# Altium PCB PCB1.PcbDoc (part 1 of 3)
Units mm, origin at the board's own origin, x right, y up, seen from the top; angles counter-clockwise.
Board outline 120 x 57 mm, 4 copper layers (Layer 1, Layer 2, Layer 3, Layer 4), stack 1.283 mm thick; 163 components, 105 nets, 545 pads, 1469 vias.
Unrouted connection lines stored in the file: 2.
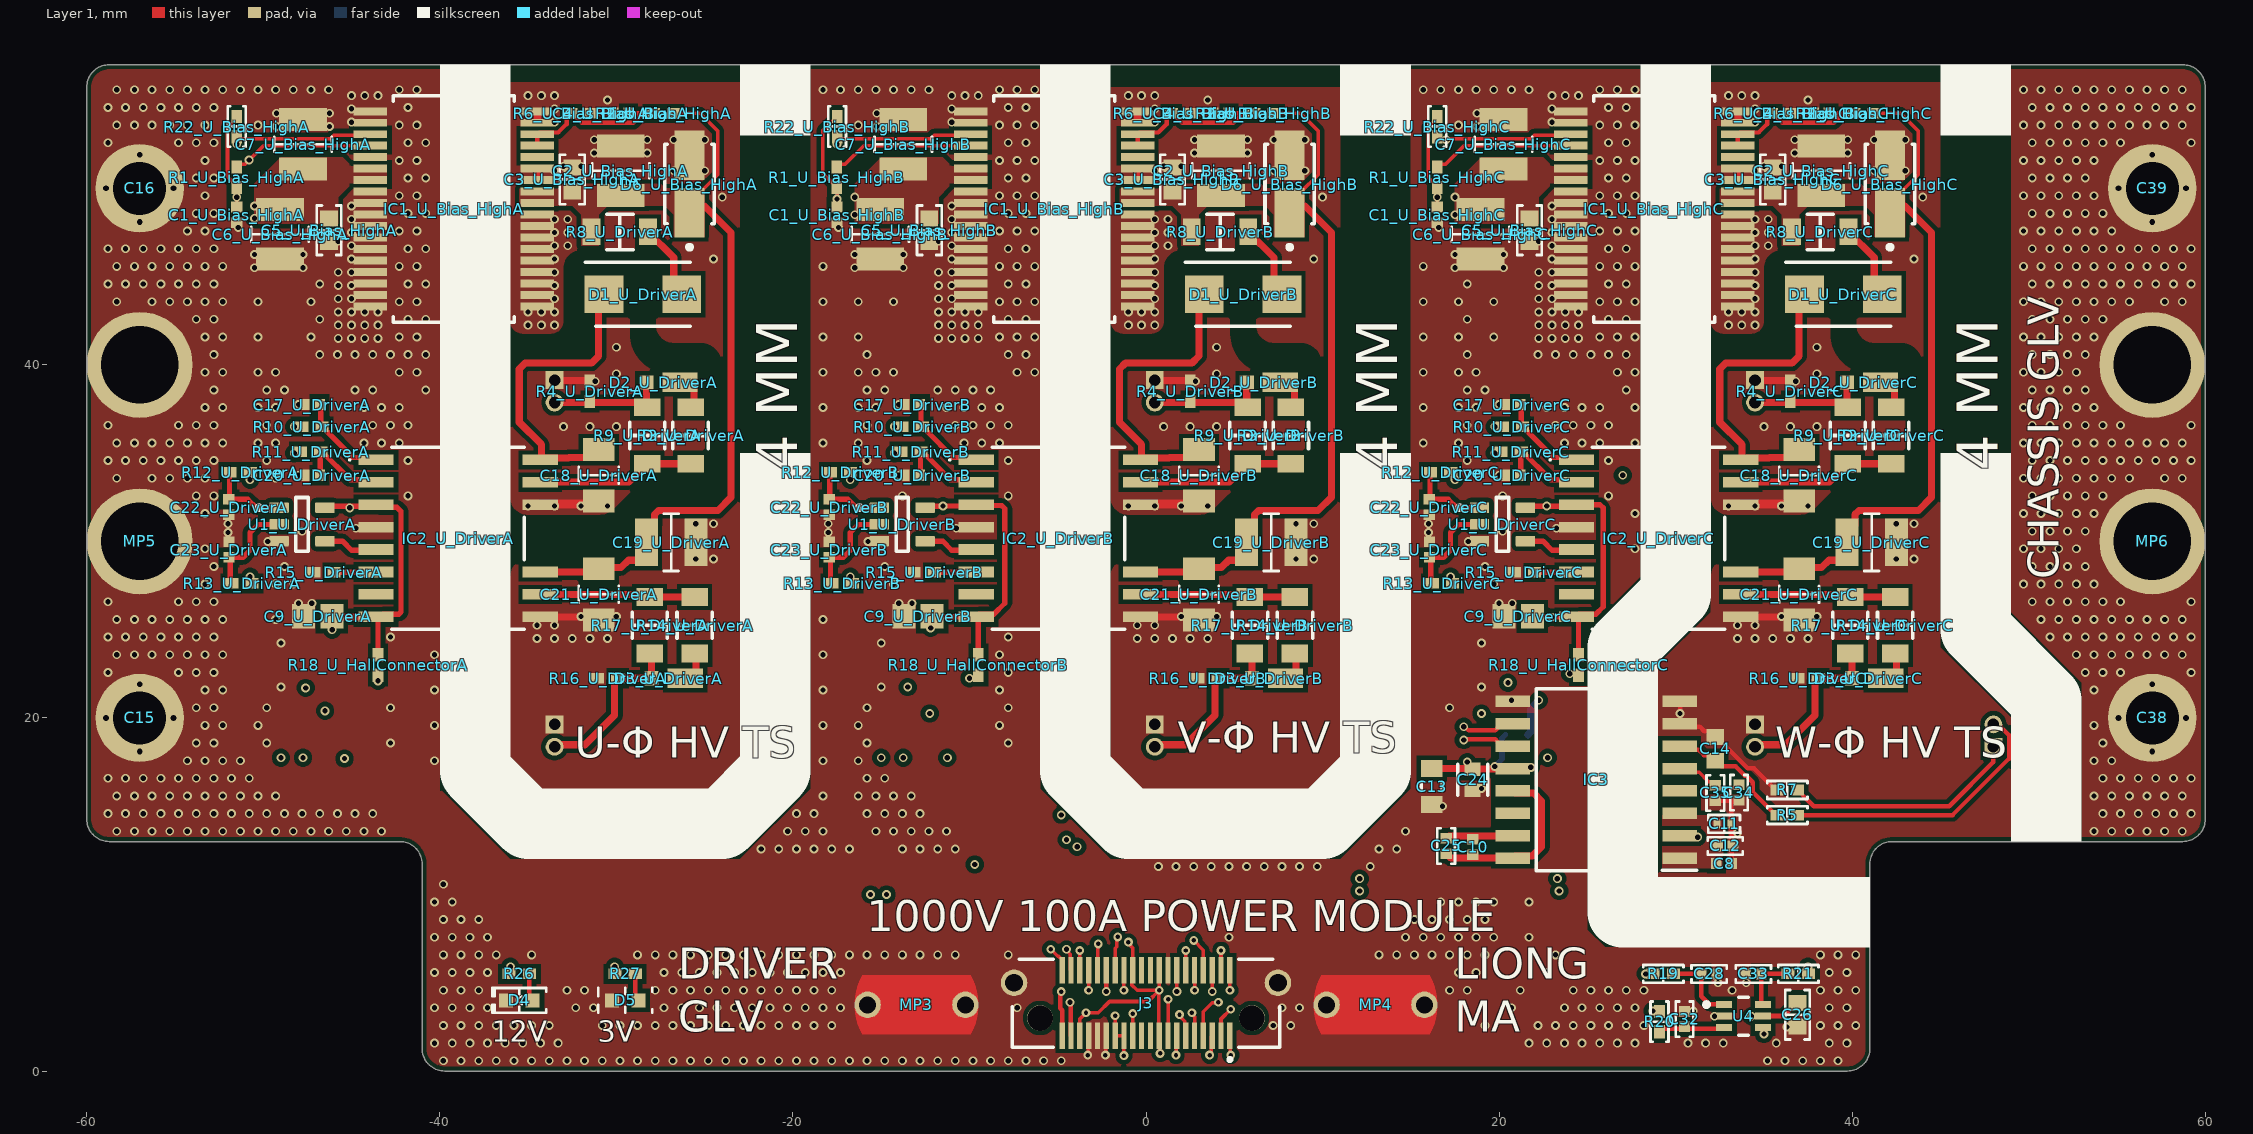
[diagram p0: Layer 1 view]
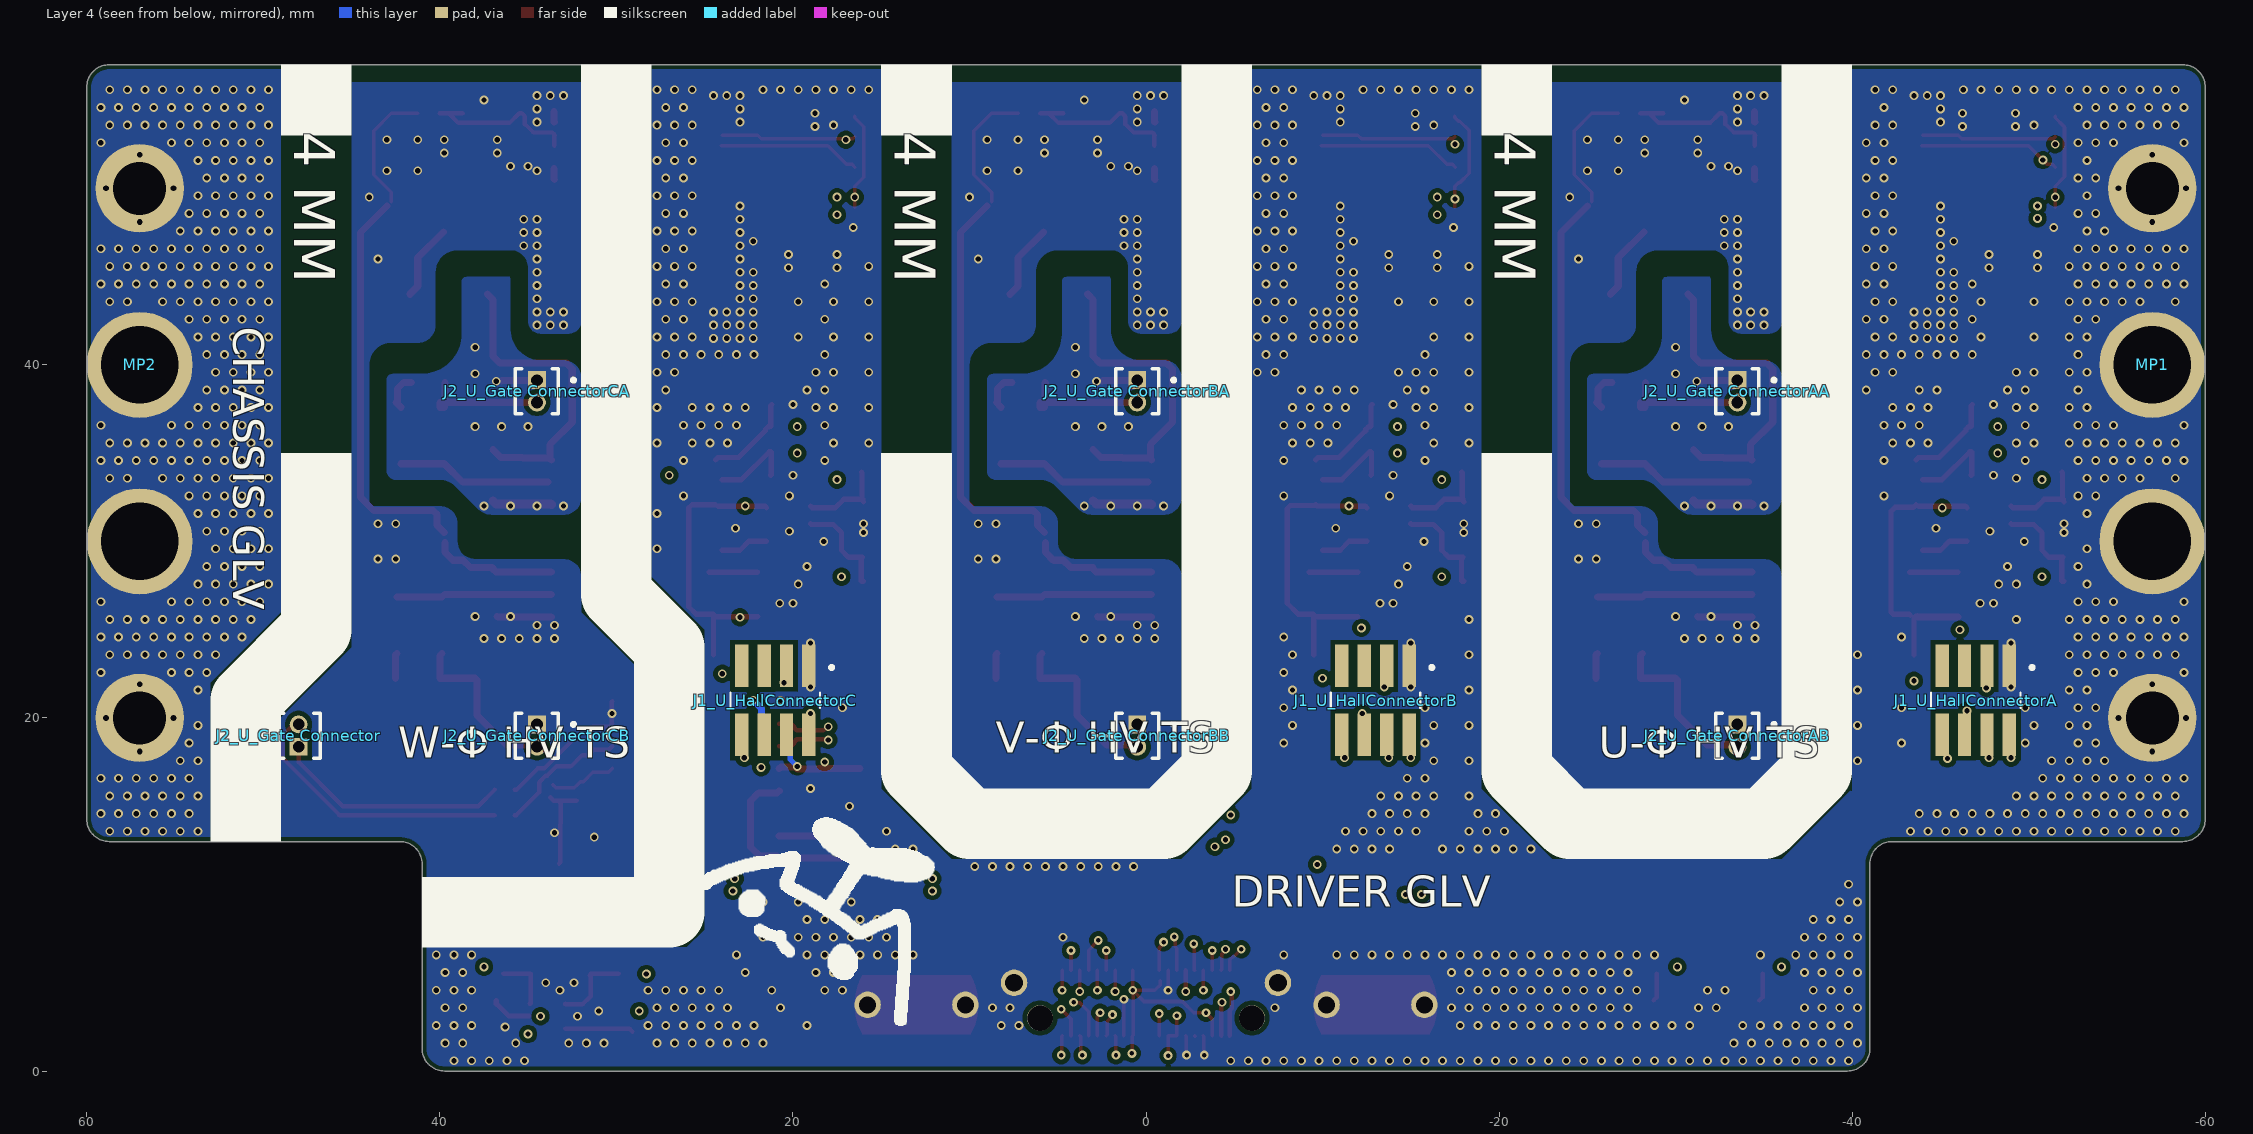
[diagram p1: Layer 4 view, seen from below]
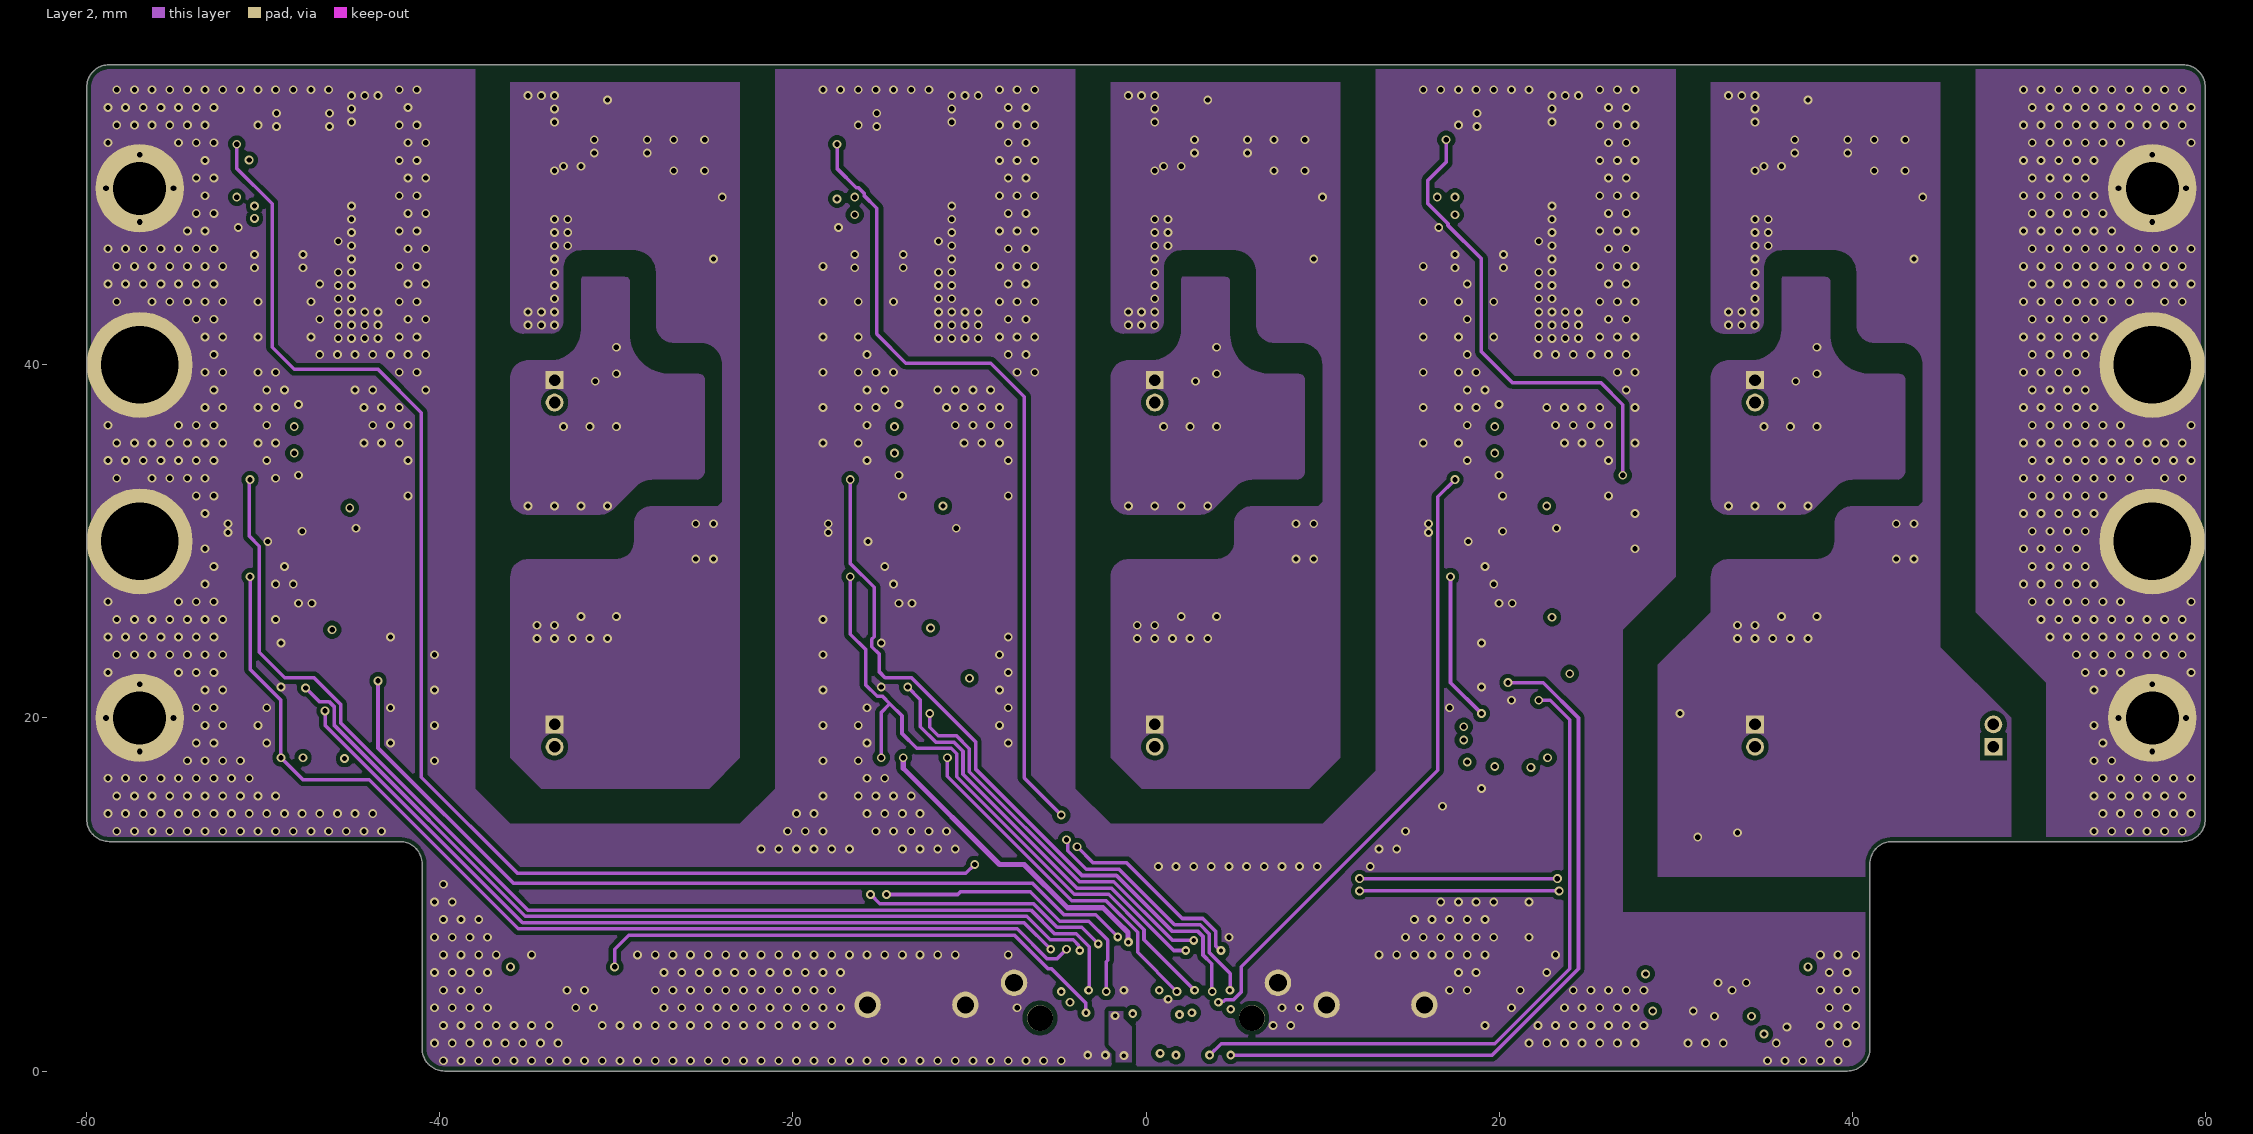
[diagram p2: Layer 2]
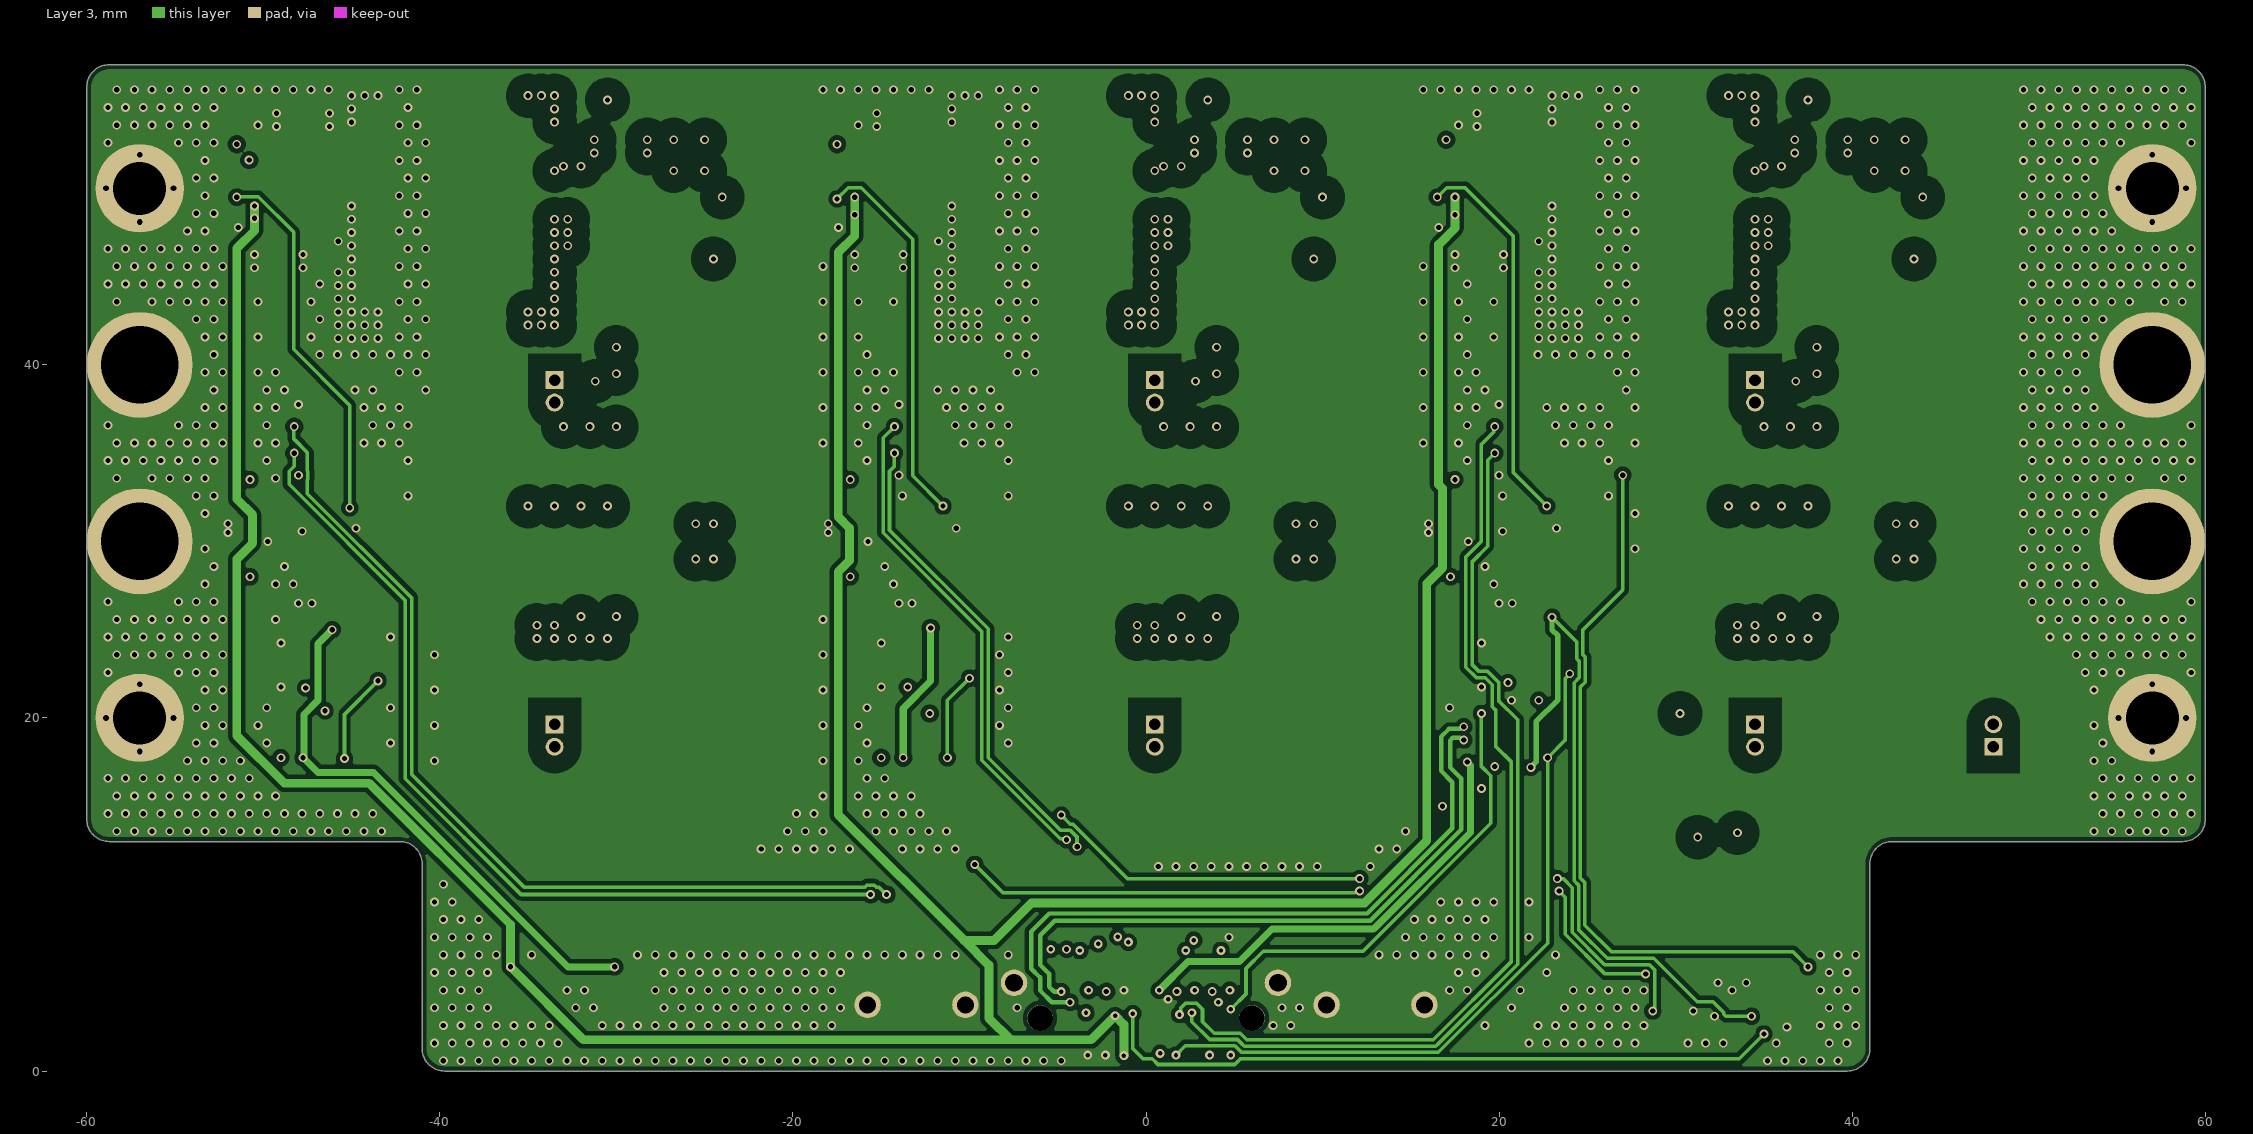
[diagram p3: Layer 3]
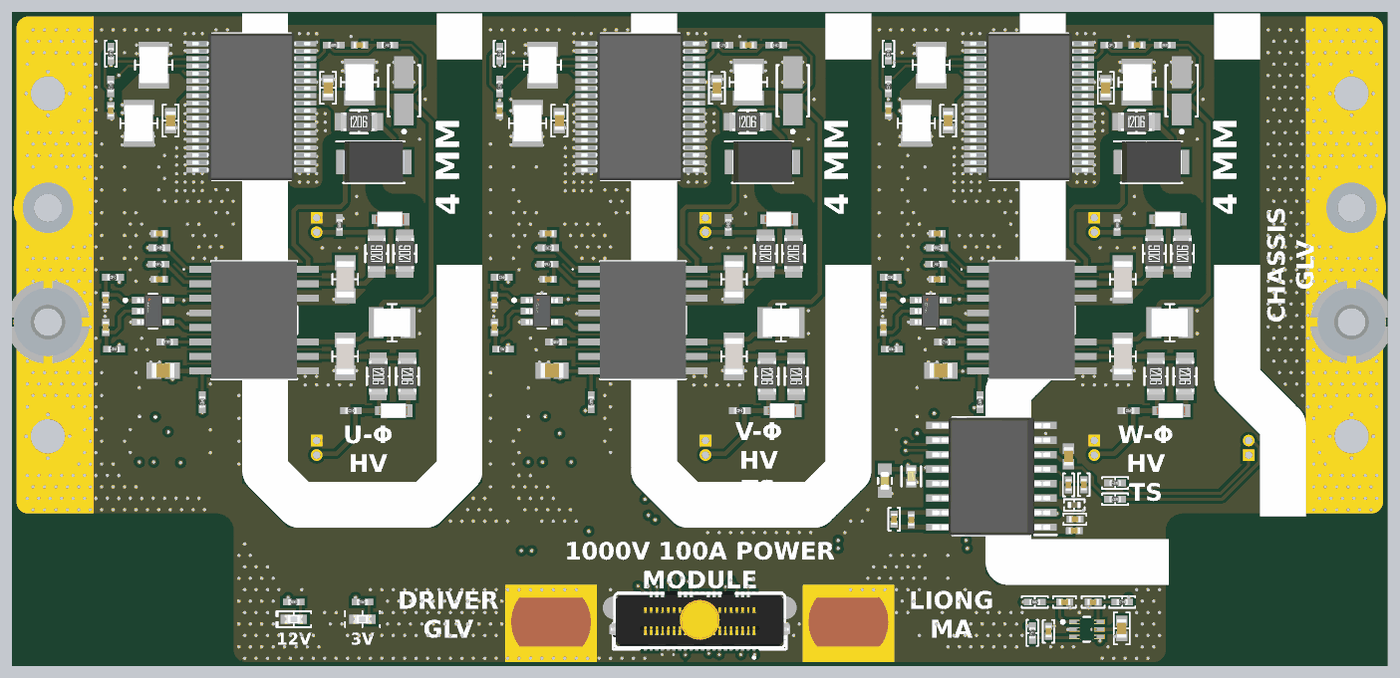
[diagram p6: 3D render of the assembled board from above, using the file's embedded part models]

## Layer stack, top to bottom
Top Solder: solder mask 0.0102, Solder Resist, Dk 3.5
Layer 1: signal copper 0.0356
Dielectric 2: prepreg 0.0711, PP-006, Dk 4.1
Layer 2: signal copper 0.035
Dielectric 3: core 1, FR4, Dk 4.1
Layer 3: signal copper 0.035
Dielectric 4: prepreg 0.0711, PP-006, Dk 4.1
Layer 4: signal copper 0.0356
Bottom Solder: solder mask 0.0102, Solder Resist, Dk 3.5

## Board outline
-42.27,13 cw(c-42.27,11.73) -41,11.73 -41,1.27 ccw(c-39.73,1.27) -39.73,0 39.73,0 ccw(c39.73,1.27) 41,1.27 41,11.73 cw(c42.27,11.73) 42.27,13 58.73,13 ccw(c58.73,14.27) 60,14.27 60,55.73 ccw(c58.73,55.73) 58.73,57 -58.73,57 ccw(c-58.73,55.73) -60,55.73 -60,14.27 ccw(c-58.73,14.27) -58.73,13
